# Altium PCB Allwinner_A13_BRD.PcbDoc (part 2 of 5)
Units mil, origin at the board's own origin, x right, y up, seen from the top; angles counter-clockwise.
Board outline 3937 x 2895 mil, 4 copper layers (Top Layer, power, gnd, Bottom Layer), stack 68.553 mil thick; 348 components, 338 nets, 1570 pads, 834 vias.
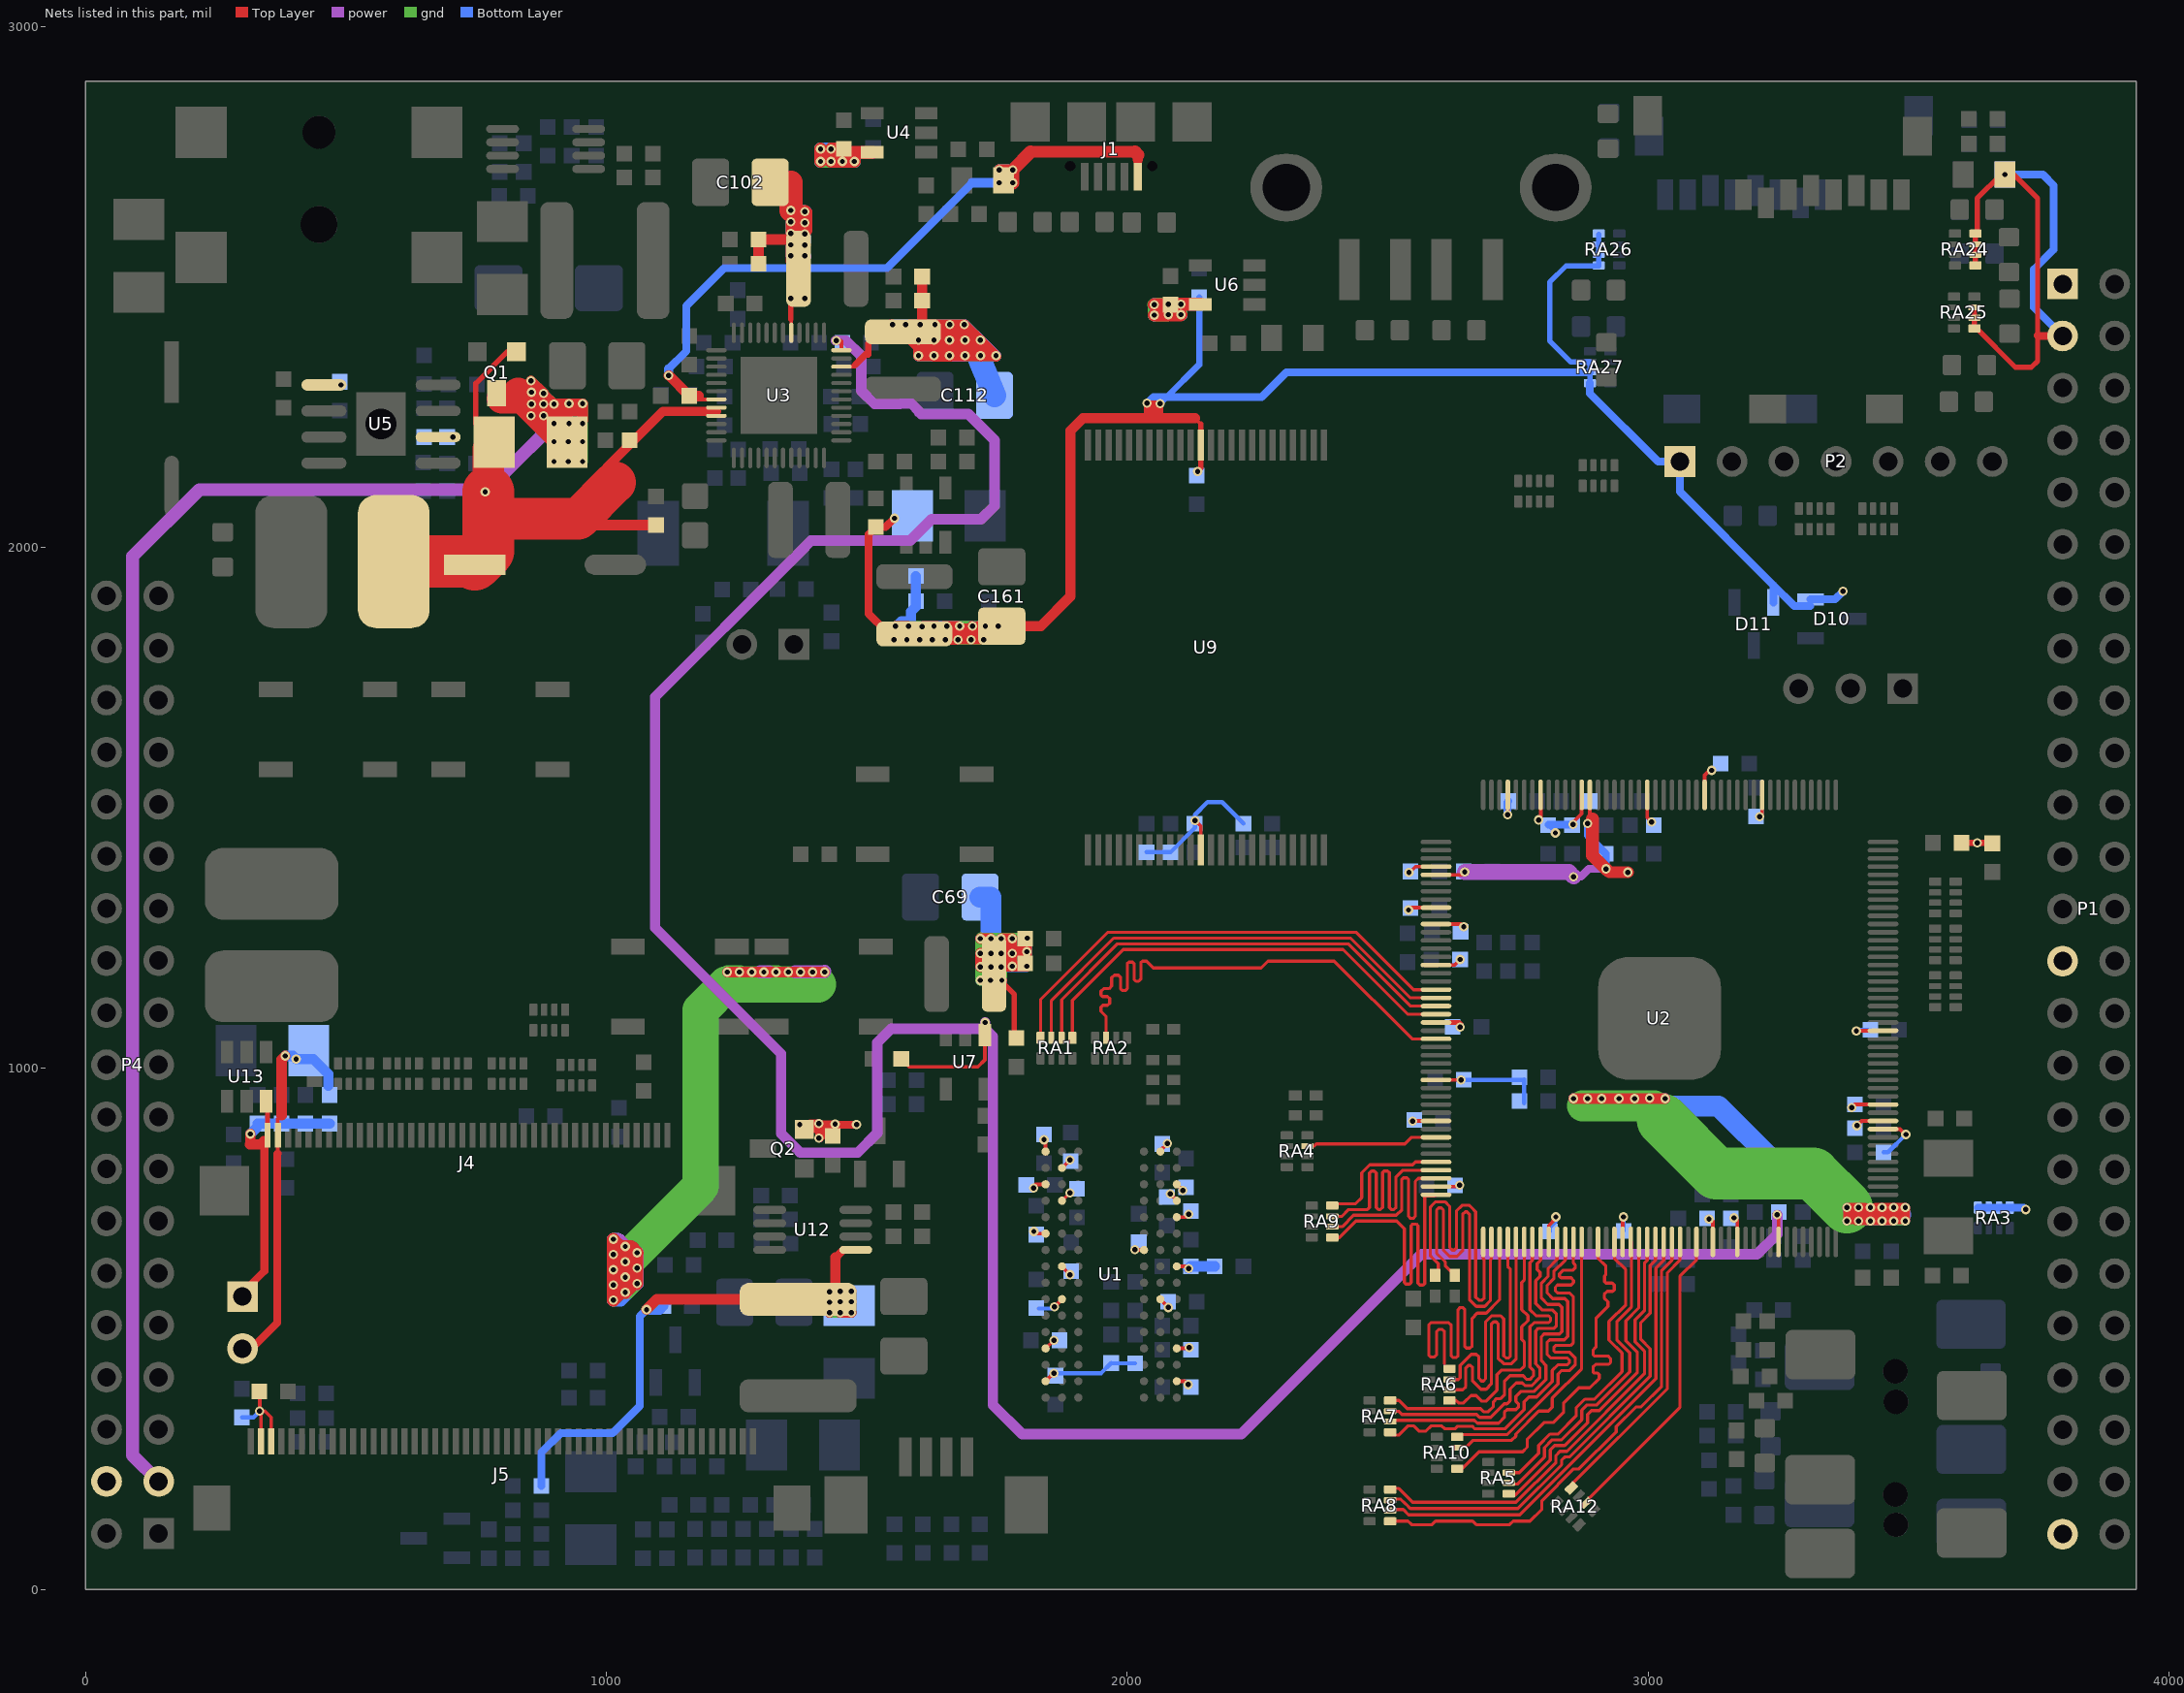
[diagram p4: the nets of this part, all layers, seen from the top]

## Part data
C1 C2 C3 C4 C5 C7 C8 C9 C10 C11 C12 C13 C14 C15 C16 C17 C18 C19 C21 C22 C23 C26 C27 C28 C29 C30 C31 C32 C33 C34 C35 C36 C37 C39 C41 C43 C44 C45 C46 C48 C55 C57 C58 C59 C60 C61 C62 C63 C66 C71 C72 C73 C76 C79 C81 C82 C86 C87 C88 C89 C94 C96 C97 C104 C105 C107 C114 C115 C116 C117 C130 C131 C132 C136 C137 C139 C143 C144 C145 C146 C147 C148 C150 C151 C152 C153 C154 C155 C156 C159 C160: library part 0603C-10UF-6V3-X5R-MUR, "CAPACITOR 0603 CERAMIC"
C6 C56 C64 C67 C70 C75 C78 C84 C149 C157: library part 0603C-1UF-25V-X5R-SAM, "CAPACITOR 0603 CERAMIC"
C20 C38: library part 0603C-1NF-50V-X7R-KEM, "CAPACITOR 0603 CERAMIC"
C24 C25 C40 C42 C47 C49 C50 C51 C52 C53 C54 C74 C77 C80 C83 C90 C91 C92 C93 C95 C98 C109 C110 C111 C118 C120 C126 C127 C128 C129 C135 C142: library part 0603C-100NF-25V-X7R-TDK, "CAPACITOR 0603 CERAMIC"
C65 C68: library part 0603C-33PF-50V-C0G-PAN, "CAPACITOR 0603 CERAMIC"
C69 C102 C106 C112 C134 C138 C161: library part CAPT_47u_1210_6V3, "Capacitor SMD Tantalum 47uF 20% 6.3V 1210"
C85: library part PANACAP-47UF-50V-FK, "GENERIC CAPACITOR POLARISED"
C99 C100 C101 C103 C108: library part 0603C-1NF-50V-X7R, "CAPACITOR 0603 CERAMIC"
C133: library part CAPT_47u_6032_16V, "Capacitor SMD Tantalum 47uF 10% 16V 6032-28"
C158: library part PANACAP-100UF-16V-FK, "GENERIC CAPACITOR POLARISED"
D1 D2 D3 D4 D5 D7 D9 D12: "DIODE"
D6 D8 D10 D11: "Schottky Barrier Double Diode"
F1 F2 F3 F4 F5 F6 F7 F8 F9 F10 F11 F12 F13 F14 F15 F16 F17 F18 F19 F20 F21 F22 F23 F24: library part ESD_SUPPRESSOR_24VDC, "ESD Suppressor 24VDC 0603 SMD"
FB1 FB2 FB4 FB5: library part 0805FB-GENERIC, "FERRITE BEAD SMD"
J5: library part CL586-0559-3, "FH12 Series, \"Flip-Lock\" SMT/ZIF FFC/FPC Connector - 0.5mm Spaced Top Contact"
J6: library part 52793-0470
L1 L2 L3 L5 L6 L7 L8: library part inductor_smd
L4 L9: library part "Inductor Iron", "Magnetic-Core Inductor"
LED1: library part LED_SMD_Blue_0805_100mcd, "LED 0805 SMD Blue 100mcd 470nm"
P1: "Header, 25-Pin, Dual row"
P2: "Header, 7-Pin"
P3: "Header, 3-Pin"
P4: "Header, 19-Pin, Dual row"
P5 P6: "Header, 2-Pin"
Q1 Q2: library part DMP2305, "P CHANNEL MOSFET"
Q3: library part BC847, "NPN General-purpose Transistor"
R1: library part 0603R-240, "GENERIC RESISTOR 0603"
R2 R3 R7 R9 R10 R14 R17 R19 R22 R23 R25 R46 R47 R48 R49 R59: library part 0603R-10K, "GENERIC RESISTOR 0603"
R4: library part 2512R-7R5, "GENERIC RESISTOR 2512"
R5 R6: library part 0603R-1R, "GENERIC RESISTOR 0603"
R8 R11 R21 R26 R27 R34 R35 R36 R39 R40 R41 R43 R50 R51 R53 R61: library part 0603R-220K, "GENERIC RESISTOR 0603"
R12 R15 R24 R28 R29 R30 R32 R33 R37 R42 R44 R45 R52 R54 R55 R56 R57 R58 R60 R64 R65 R66 R67 R68 R69 R70 R71 R72 R73 R74 R75 R76 R77 R78 R79: library part 0603R-2K2, "GENERIC RESISTOR 0603"
R13 R16: library part 0603R-47K, "GENERIC RESISTOR 0603"
R18 R20 R81 R82 R83 R84 R85 R86: library part 0402R-GENERIC, "RESISTOR 0402 GENERIC"
RA1 RA2 RA3 RA4 RA5 RA6 RA7 RA8 RA9 RA10 RA12 RA13 RA14 RA15 RA16 RA17 RA18 RA19 RA20 RA22 RA23 RA24 RA25 RA26 RA27 RA28 RA29 RA30: library part RES_ARRAY_0402_5%, "Resistor array 4-pack 5% 0402 SMD"
U1: "1Gb DDR3-1333 SDRAM, 256Mb x 16, 1.5ns, 1.5V, -40 to 95 degC, 96-Ball FBGA, Pb-Free"
U11 U12: "18.5 V, 2 A, 650 KHz / 1.2 MHz Step-Up DC-DC Converter with Forced PWM Mode, 2.3 to 6 V, -40 to 85 degC, 8-pin SOP (DGK8), Green (RoHS & no Sb/Br)"
U13: "High Brightness White LED Driver, 3 to 18 V, -40 to 85 degC, 6-pin SOT23 (DBV6), Green (RoHS & no Sb/Br)"
XT1: library part crystal_cermaic

## Via types
v1: diameter 18, hole 10, Top Layer to Bottom Layer, tented both sides, 806 vias
v2: diameter 25.98, hole 15.75, Top Layer to Bottom Layer, 16 vias
v3: diameter 39.37, hole 19.68, Top Layer to Bottom Layer, tented both sides, 8 vias
v4: diameter 18, hole 10, Top Layer to Bottom Layer, 3 vias
v5: diameter 157.48, hole 118.11, Top Layer to Bottom Layer, tented both sides, 1 vias

## Nets (pads, with @x,y where several pads share a name; then routed paths per layer and width w, separated by ;. In a path a pad name is that pad's centre, name@x,y a point inside that pad or via, vN(x,y) a via of type N, cw(c..) or ccw(c..) an arc to the next point about the centre after c; other vN are vias at no path point)
1.2V_CPU: C19.1 C20.1 C26.2 C27.2 C28.2 C29.2 C49.1 C50.1 C51.1 C52.1 C112.1 L2.2 U2.4 U2.9 U2.11 U2.16 U2.156 U2.164 U2.169 U2.173 U3.10 | length 4412.7
  Top Layer w7: U3.10@1451.08,2347.12 1474.05,2347.12 ; v1(2540,1304) 2540,1305.19 2543.4,1308.6 U2.9@2592.87,1308.6 ; v1(2541,1376) 2542,1376 2553.34,1387.34 U2.4@2592.87,1387.34 ; U2.16@2592.87,1198.36 2628.36,1198.36 v1(2639,1209) ; U2.11@2592.87,1277.1 2640.9,1277.1 v1(2646,1272) ; v1(2730,1487) 2730.66,1487.66 U2.173@2730.66,1525.13 ; v1(2790,1477) 2793.81,1480.81 2793.81,1524.98 U2.169@2793.65,1525.13 ; v1(2856,1468) 2856,1472.41 2872.39,1488.8 U2.164@2872.39,1525.13 ; U2.156@2998.38,1525.13 2998.38,1481.62 v1(3007,1473)
  Top Layer w12: 1477,2350.07 1503,2376.07 ; 1503,2370 1503,2376.07 ; L2.2@1503,2392 1503,2376.07
  Top Layer w20: v1(1549,2428) 1546,2428 1538,2420 1563.12,2420 L2.2@1569,2414.12 ; C19.1@1606,2520 C20.1@1606,2474 L2.2@1606,2428 ; v1@1628,2367 v1@1660,2367 ; v1@1719,2367 v1@1718,2368 ; v1@1748,2367 v1@1747,2368 ; L2.2@1569,2414.12 L2.2@1606,2414.12 ; L2.2@1569,2414.12 1582.88,2428 v1(1602.4,2428) L2.2@1606,2428 ; L2.2@1569,2414.12 L2.2@1582.12,2401 ; L2.2@1582.12,2401 L2.2@1600,2401 ; L2.2@1582.12,2401 1599,2384.12 ; 1599,2384.12 v1(1599,2368) v1(1628.8,2368) v1(1658.6,2368) v1(1688.4,2368) v1@1718,2368 ; 1599,2384.12 1717.12,2384.12 1718,2385 ; L2.2@1600,2401 1599,2400 1601,2398 v1(1628.75,2398) v1(1658.5,2398) v1(1688.25,2398) v1@1717,2398 ; L2.2@1600,2401 1688,2401 1688,2413 ; L2.2@1606,2414.12 L2.2@1606,2428 ; L2.2@1606,2414.12 1607.12,2413 1688,2413 ; L2.2@1606,2428 v1(1630.6,2428) v1(1658.8,2428) v1(1687,2428) v1@1688,2427 ; 1688,2413 v1@1688,2427 ; v1@1688,2427 v1@1717,2398 ; v1@1717,2398 v1(1718,2398) v1@1718,2397 ; v1@1717,2398 v1@1718,2397 ; v1@1718,2368 v1(1718.2,2368) v1@1747,2368 ; v1@1718,2368 1718,2385 ; 1718,2385 v1@1718,2397 ; v1@1718,2397 v1@1747,2368
  power w20: v1(1549,2428) v1(1574.2,2428) ; v1@1599,2400 v1(1599,2398) ; v1@1660,2367 v1@1687,2367 ; v1@1660,2400 1661,2401 v1@1688,2401 ; 1717,2384 1715,2382 1599,2382 ; v1(1574.2,2428) 1574.2,2422.8 1583.29,2413.71 ; v1(1574.2,2428) v1(1602.4,2428) v1(1630.6,2428) v1(1658.8,2428) v1(1687,2428) 1688,2428 1695.5,2420.5 ; 1583.29,2413.71 v1(1599,2398) ; 1583.29,2413.71 1688.71,2413.71 1695.5,2420.5 ; 1599,2382 v1(1599,2368) v1(1628.8,2368) v1(1658.6,2368) v1(1688.4,2368) v1(1718.2,2368) v1(1748,2368) v1(1718,2398) ; 1599,2382 v1(1599,2398) ; v1(1599,2398) v1(1628.75,2398) v1(1658.5,2398) v1(1688.25,2398) v1(1718,2398) ; 1695.5,2420.5 v1(1718,2398)
  gnd w20: v1@1547,2427 1570,2427 1588.48,2408.52 ; v1(1549,2428) v1(1574.2,2428) v1(1602.4,2428) v1(1630.6,2428) v1(1658.8,2428) v1(1687,2428) v1@1717,2398 ; 1612,2383 1615.22,2386.22 1728.78,2386.22 ; 1687,2413 1682.52,2408.52 1588.48,2408.52 ; v1(1718,2398) v1@1717,2398 ; 1588.48,2408.52 v1(1599,2398) ; v1(1599,2398) v1(1599,2368) v1(1628.8,2368) v1(1658.6,2368) v1(1688.4,2368) v1(1718.2,2368) 1747,2368 1728.78,2386.22 ; v1(1599,2398) v1(1628.75,2398) v1(1658.5,2398) v1(1688.25,2398) v1@1717,2398 ; v1@1717,2398 1728.78,2386.22
  Bottom Layer w8: C29.2@2809,1468 C29.2@2808,1467 2822,1453 v1(2822,1452)
  Bottom Layer w15: v1(2730,1487) 2730,1511 C52.1@2732,1513 ; C29.2@2809,1468 v1(2856,1468)
  Bottom Layer w20: v1(1549,2428) v1(1574.2,2428) ; v1@1628,2367 1600,2367 v1(1599,2368) ; v1@1629,2401 1630,2400 v1@1660,2400 ; v1@1687,2367 1714.52,2367 v1@1719,2367 ; v1@1748,2367 v1(1748,2368) ; v1(1574.2,2428) 1592.1,2410.1 ; v1(1574.2,2428) v1(1602.4,2428) v1(1630.6,2428) v1(1658.8,2428) v1(1687,2428) v1@1688,2428 ; 1592.1,2410.1 1670.1,2410.1 ; 1592.1,2410.1 1599,2403.2 v1(1599,2398) ; v1(1599,2368) v1(1599,2398) ; v1(1599,2368) v1@1602,2368 ; v1(1599,2398) v1(1628.75,2398) v1(1658.5,2398) v1(1688.25,2398) v1(1718,2398) ; v1@1602,2368 1617,2383 1708,2383 1732,2383 1732.5,2383.5 ; v1@1602,2368 v1(1628.8,2368) v1(1658.6,2368) v1(1688.4,2368) 1714.11,2368 v1(1718.2,2368) v1(1748,2368) ; 1670.1,2410.1 v1@1688,2428 ; 1670.1,2410.1 1698.1,2410.1 1702,2414 ; v1@1688,2428 1702,2414 ; 1702,2414 v1(1718,2398) ; v1(1718,2398) 1732.5,2383.5 ; 1732.5,2383.5 v1(1748,2368)
  Bottom Layer w45: 1708,2383 1710.45,2376.99 1714.11,2368 1714.52,2367 1714.7,2366.57 1718.94,2356.16 C112.1@1745.09,2292
1.2V_INT: C30.2 C31.2 C32.2 C37.1 C38.1 C53.1 C54.1 C102.1 L3.2 U2.35 U2.73 U2.98 U2.109 U2.149 U3.17 | length 1484.9
  Top Layer w7: 1354,2438 1354.62,2437.38 U3.17@1354.62,2412.08 ; v1(2548,899) 2548.15,899.15 U2.35@2592.87,899.15 ; U2.149@3108.61,1525.13 3108.61,1562.61 3118,1572 v1(3122,1572) ; v1(3117,711) 3120,711 3124.36,706.64 U2.73@3124.36,666.87 ; v1(3400,1072) 3400.38,1072.38 U2.109@3451.13,1072.38 ; v1(3401,890) 3410.15,899.15 U2.98@3451.13,899.15
  Top Layer w10: 1354,2438 v1(1354,2478)
  Top Layer w12: v1(1354,2478) L3.2@1354,2515.88
  Top Layer w20: C38.1@1292,2545 C37.1@1292,2591 L3.2@1354,2591 ; C102.1@1314.09,2701 1354,2701 ; L3.2@1357,2580 1357,2590 1366,2581 L3.2@1368.88,2581 ; L3.2@1358,2559 L3.2@1358,2545.88 ; L3.2@1359,2605 L3.2@1368.88,2605 ; 1369,2635 1368.88,2634.88 L3.2@1368.88,2605 ; L3.2@1382,2581 L3.2@1368.88,2581 ; L3.2@1383,2604 L3.2@1382,2605 ; L3.2@1354,2591 v1(1354,2581) v1(1354,2560) 1354,2549.88 L3.2@1358,2545.88 ; L3.2@1354,2591 v1(1354,2603) v1(1354,2625) v1(1354,2647) 1382,2647 1385,2644 1385,2608 L3.2@1382,2605 ; L3.2@1354,2591 L3.2@1368.88,2591 ; L3.2@1358,2545.88 L3.2@1362.88,2541 ; L3.2@1358,2545.88 1358,2541 L3.2@1362.88,2541 ; L3.2@1362.88,2541 L3.2@1368.88,2535 L3.2@1368.88,2581 ; L3.2@1368.88,2581 L3.2@1368.88,2591 ; L3.2@1368.88,2591 L3.2@1368.88,2605 ; L3.2@1368.88,2605 L3.2@1382,2605
  Top Layer w45: v1(1354,2647) 1354,2701
  power w12: v1(1354,2478) 1360,2484 1360,2495
  power w20: v1@1358,2559 v1(1381,2560) v1@1383,2559 ; v1@1358,2647 1360,2645 v1(1381,2645) v1@1384,2645 ; v1@1359,2605 v1@1359,2627
  Bottom Layer w8: v1(3400,1072) 3402,1074 C53.1@3427,1074
  Bottom Layer w12: v1(1354,2478) v1(1381,2478)
  Bottom Layer w20: v1@1357,2580 v1@1362,2580 ; v1@1359,2627 1372,2627 ; v1@1382,2581 1382,2603 v1@1383,2604 ; v1@1385,2627 v1@1381,2627 ; v1(1354,2581) v1(1354,2603) v1(1354,2625) v1(1354,2647) 1379,2647 v1(1381,2645) v1@1381,2627 ; v1(1354,2581) 1354.5,2580.5 v1@1362.5,2580.5 ; v1(1354,2581) v1(1354,2560) 1368,2560 ; v1(1354,2581) 1372,2599 1372,2627 ; v1@1362,2580 1368,2574 1368,2560 ; v1@1362,2580 v1@1362.5,2580.5 ; v1@1362.5,2580.5 v1(1381,2580.5) ; 1368,2560 v1(1381,2560) v1(1381,2580.5) ; 1372,2627 v1@1381,2627 ; v1(1381,2580.5) v1(1381,2602) v1(1381,2623.5) v1@1381,2627
1.5V: C1.2 C2.2 C7.1 C8.1 C13.1 C14.1 C15.1 C16.1 C17.1 C18.1 C22.1 C33.2 C34.1 C35.1 C36.1 C39.2 C40.1 C41.2 C42.1 C43.2 C44.1 C46.1 C57.1 C59.1 C60.1 C62.1 C69.1 C87.2 C107.2 L5.2 R2.2 R7.2 R37.2 U1.A1 U1.A8 U1.B2 U1.C1 U1.C9 U1.D2 U1.D9 U1.E9 U1.F1 U1.G7 U1.H2 U1.H9 U1.K2 U1.K8 U1.N1 U1.N9 U1.R1 U1.R9 U2.23 U2.30 U2.43 U2.53 U2.62 | length 3481.2
  Top Layer w7: v1(1820,770) 1820,773.34 1824.07,777.41 U1.C1@1843.05,777.41 ; v1(1820.61,686.87) 1824.56,682.92 U1.F1@1843.05,682.92 ; v1(1840,863) 1843.05,859.95 U1.A1@1843.05,840.4 ; U1.R1@1843.05,399.46 v1@1858,414.41 ; U1.N1@1843.05,462.45 1843.45,462.45 v1(1859,478) ; v1(1860,542) 1874.54,556.54 U1.K2@1874.54,556.94 ; U1.H2@1874.54,619.93 1874.54,619.46 v1(1890,604) ; U1.D2@1874.54,745.91 1874.91,745.91 v1(1890,761) ; U1.B2@1874.54,808.91 1874.91,808.91 v1(1890,824) ; v1(2014.61,651.87) 2015.05,651.43 U1.G7@2032.02,651.43 ; U1.K8@2063.52,556.94 2063.52,556.48 v1(2079,541) ; U1.A8@2063.52,840.4 2063.52,842.52 v1(2077,856) ; v1(2082.61,758.87) 2095.02,746.46 U1.D9@2095.02,745.91 ; U1.R9@2095.02,399.46 2110.54,399.46 v1(2117,393) ; U1.N9@2095.02,462.45 2117.2,462.45 v1(2118.61,463.87) ; U1.H9@2095.02,619.93 2113.55,619.93 v1(2117.61,615.87) ; U1.E9@2095.02,714.42 2112.16,714.42 v1(2117.61,719.87) ; U1.C9@2095.02,777.41 2095.07,777.41 v1(2106.61,765.87) ; U2.43@2592.87,773.17 2635.17,773.17 v1(2638,776) ; U2.30@2592.87,977.89 2640.89,977.89 v1(2641,978) ; U2.53@2809.4,666.87 2809.4,698.4 2823,712 v1(2823,715) ; U2.62@2951.13,666.87 2951.13,713.13 v1(2953,715)
  Top Layer w10: v1(1718,1169) 1732.12,1169 L5.2@1744.12,1181 ; L5.2@1756.12,1169 1783,1142.12 R37.2@1783,1058 ; U2.23@2592.87,1088.13 2636.62,1088.13 2639.75,1085 2639,1084.25 v1(2639,1079)
  Top Layer w20: v1(1718,1195) v1(1718,1221) ; v1(1718,1249) v1(1738,1249) ; v1(1737,1169) 1756.12,1169 v1(1759,1169) ; v1(1738,1195) v1(1738,1221) ; v1(1758,1249) v1(1779,1249) v1(1779,1221) ; 1768,1237 1744.12,1213.12 L5.2@1744.12,1181 L5.2@1759.12,1196 ; 1790,1226 1792,1224 v1(1807,1224) ; v1(1808,1250) 1807,1249 v1(1807,1224) ; L5.2@1758,1208 1771.12,1208 ; L5.2@1758,1208 v1(1758,1221) v1(1779,1221) ; L5.2@1758,1208 v1(1758,1195) 1759,1196 L5.2@1759.12,1196 ; L5.2@1759.12,1196 1771.12,1208 ; L5.2@1759.12,1196 v1(1779,1196) ; 1771.12,1208 1779,1208 ; 1771.12,1208 v1@1779,1215.88 ; v1(1779,1196) 1779,1208 ; v1(1779,1196) v1(1807,1196) v1(1807,1224) ; 1779,1208 v1@1779,1215.88 ; v1@1779,1215.88 v1(1779,1221)
  gnd w20: v1(1718,1249) v1(1718,1221) v1(1718,1195) ; 1736,1181 1746,1181 v1@1759,1194 ; 1801,1209 1799,1207 1726,1207 1725,1206 1725,1229 1727.5,1231.5 ; v1(1718,1195) v1(1738,1195) v1(1758,1195) ; v1(1718,1195) v1(1718,1169) v1(1737,1169) v1(1759,1169) v1@1759,1194 ; 1727.5,1231.5 1719,1240 1719,1251 1720,1250 v1(1808,1250) 1807,1249 v1@1807,1232 ; 1727.5,1231.5 1732,1236 1803,1236 v1@1807,1232 ; 1727.5,1231.5 v1(1738,1221) v1(1758,1221) v1(1779,1221) 1804,1221 v1(1807,1224) ; v1(1758,1195) 1759,1196 v1(1779,1196) v1(1807,1196) v1(1807,1224) ; v1(1758,1195) v1@1759,1194 ; v1(1807,1224) v1@1807,1232
  Bottom Layer w8: C36.1@1830,539 1857,539 v1(1860,542) ; v1(1859,415) 1949.85,415 R2.2@1969.03,434.18 C2.2@2015,434 ; v1(2641,978) C40.1@2646,978 2760.79,978 2761.82,979.03 2762,978.85 R7.2@2762,933 ; C42.1@2811.4,686.87 2811.4,694.4 2823,706 v1(2823,715) ; C43.2@2953.03,688.18 v1(2953,715)
  Bottom Layer w20: v1(1738,1249) 1738,1237 ; v1(1758,1249) 1758,1237 ; v1(1779,1196) v1(1807,1196) ; v1(1779,1249) 1779,1237 ; v1(2117.61,615.87) 2121.75,620 C14.1@2122,620 C44.1@2168,620 ; v1(1718,1195) v1(1718,1221) ; v1(1718,1195) v1(1738,1195) ; v1(1718,1195) v1(1718,1169) v1(1737,1169) ; v1(1718,1221) v1(1718,1249) ; v1(1718,1221) 1721,1224 1729,1224 ; v1(1718,1221) v1@1729,1221 ; v1(1718,1249) 1719,1250 1738,1250 v1(1808,1250) 1808,1237 ; v1(1718,1249) 1729,1238 1729,1224 ; v1@1729,1221 v1(1738,1221) ; v1@1729,1221 1729,1209 1802,1209 1804,1207 1804,1199 v1(1807,1196) ; v1@1729,1221 1729,1224 ; 1729,1224 v1@1738,1224 ; v1(1737,1169) 1738,1170 1738,1182.5 ; v1(1737,1169) v1(1759,1169) 1759,1183 ; 1738,1182.5 1738.5,1183 1759,1183 ; 1738,1182.5 v1(1738,1195) ; v1(1738,1195) v1(1758,1195) ; v1(1738,1221) v1@1738,1224 ; v1(1738,1221) v1(1758,1221) ; v1@1738,1224 1738,1237 ; v1@1738,1224 v1@1758,1224 ; 1738,1237 1758,1237 ; v1(1758,1195) 1806,1195 v1(1807,1196) ; v1(1758,1195) 1759,1194 1759,1183 ; v1(1758,1221) v1(1779,1221) ; v1(1758,1221) v1@1758,1224 ; v1@1758,1224 1758,1237 ; v1@1758,1224 v1@1779,1224 ; 1758,1237 1779,1237 ; v1(1779,1221) 1804,1221 v1(1807,1224) ; v1(1779,1221) v1@1779,1224 ; v1@1779,1224 v1(1807,1224) ; v1@1779,1224 1779,1237 ; 1779,1237 1808,1237 ; v1(1807,1196) v1(1807,1224) ; v1(1807,1224) 1808,1225 1808,1237
  Bottom Layer w40: C69.1@1717.09,1329 1738,1329 1738,1250 v1(1738,1249)
3.0VA: C58.2 C63.1 R39.1 U2.81 U3.12 U7.1 | length 5815.8
  Top Layer w7: v1(1441,2397) 1450,2397 1451.08,2395.92 U3.12@1451.08,2378.61 ; R39.1@1566,1018 1581,1003 1713,1003 1726.4,1016.4 U7.1@1726.4,1063.97 ; v1(3248,719) 3250.35,716.65 U2.81@3250.35,666.87
  power w20: v1(1441,2397) 1460,2397 1489,2368 1489,2300.62 1514.62,2275 1563.64,2275 1564.64,2276 1585.36,2276 1600,2261.36 1600,2259.94 1603.94,2256 1694.94,2256 1745,2205.94 1745,2080 1719,2054 1624,2054 1583,2013 1393,2013 1372,1992 1372,1991.64 1357.36,1977 1357,1977 1093,1713 1093,1270 1335,1028 1335,1018 1335.14,1017.86 1335.14,1000.54 1335,1000.4 1335,875 1372,838 1482,838 1520,876 1520,1049.37 1546.63,1076 1727,1076 ; v1(1727,1088) 1727.03,1076 1742,1061.03 1742,354 1798,298 2219,298 2564,643 ; 2710,643 2564,643 ; v1(3248,719) 3248,682 3209,643 2564,643
  Bottom Layer w8: v1(3248,719) 3250,719 C58.2@3251,718
3.3V: C24.1 C25.1 C47.1 C48.2 C83.1 C95.1 C116.2 C117.2 C127.1 C128.1 C161.1 D1.A D10.2 D11.2 FB4.1 FB5.1 L6.2 P1.3 P1.27 P1.49 P2.1 P4.4 Q2.S R13.1 R25.1 R40.2 R41.2 R50.2 R51.2 R52.2 R61.2 R79.2 RA3.1 RA3.2 RA3.3 RA3.4 RA24.1 RA24.2 RA24.3 RA24.4 RA25.1 RA25.2 RA25.3 RA26.1 RA26.2 RA26.3 RA26.4 RA27.1 RA27.2 RA27.3 U2.5 U2.76 U2.97 U2.100 U2.142 U2.163 U9.12 U9.37 | length 14033.7
  Top Layer w7: v1(2130,1476) 2141.16,1464.84 U9.12@2141.16,1419.22 ; 2130,2248 2141.16,2236.84 ; U2.5@2592.87,1371.59 2642.59,1371.59 v1(2648,1377) ; v1(2884,1470) 2893,1479 ; v1@2888.14,1474.14 U2.163@2888.14,1525.13 ; v1(3165,713) 3166,713 3171.61,707.39 U2.76@3171.61,666.87 ; v1(3214,1483) 3217.7,1483 3218.85,1484.15 U2.142@3218.85,1525.13 ; v1(3391,925) 3396.65,930.65 U2.100@3451.13,930.65 ; U2.97@3451.13,883.4 3483.6,883.4 3494,873 v1(3495,873)
  Top Layer w10: v1(2135,2146) 2141.16,2152.16 U9.37@2141.16,2196.78 2141.16,2236.84 ; RA25.3@3626.69,2460.84 RA25.2@3626.69,2441.16 RA25.1@3626.69,2420.49 3630.93,2420.49 3705.41,2346 3736,2346 3748,2358 3748,2407 3748,2670 3702,2716 v1(3685,2716) 3678,2716 3632,2670 3632,2605.83 RA24.4@3628.69,2602.51 RA24.3@3628.69,2581.84 RA24.2@3628.69,2562.16 RA24.1@3628.69,2541.49